# Altium PCB Vesa-Esp.PcbDoc (continued)
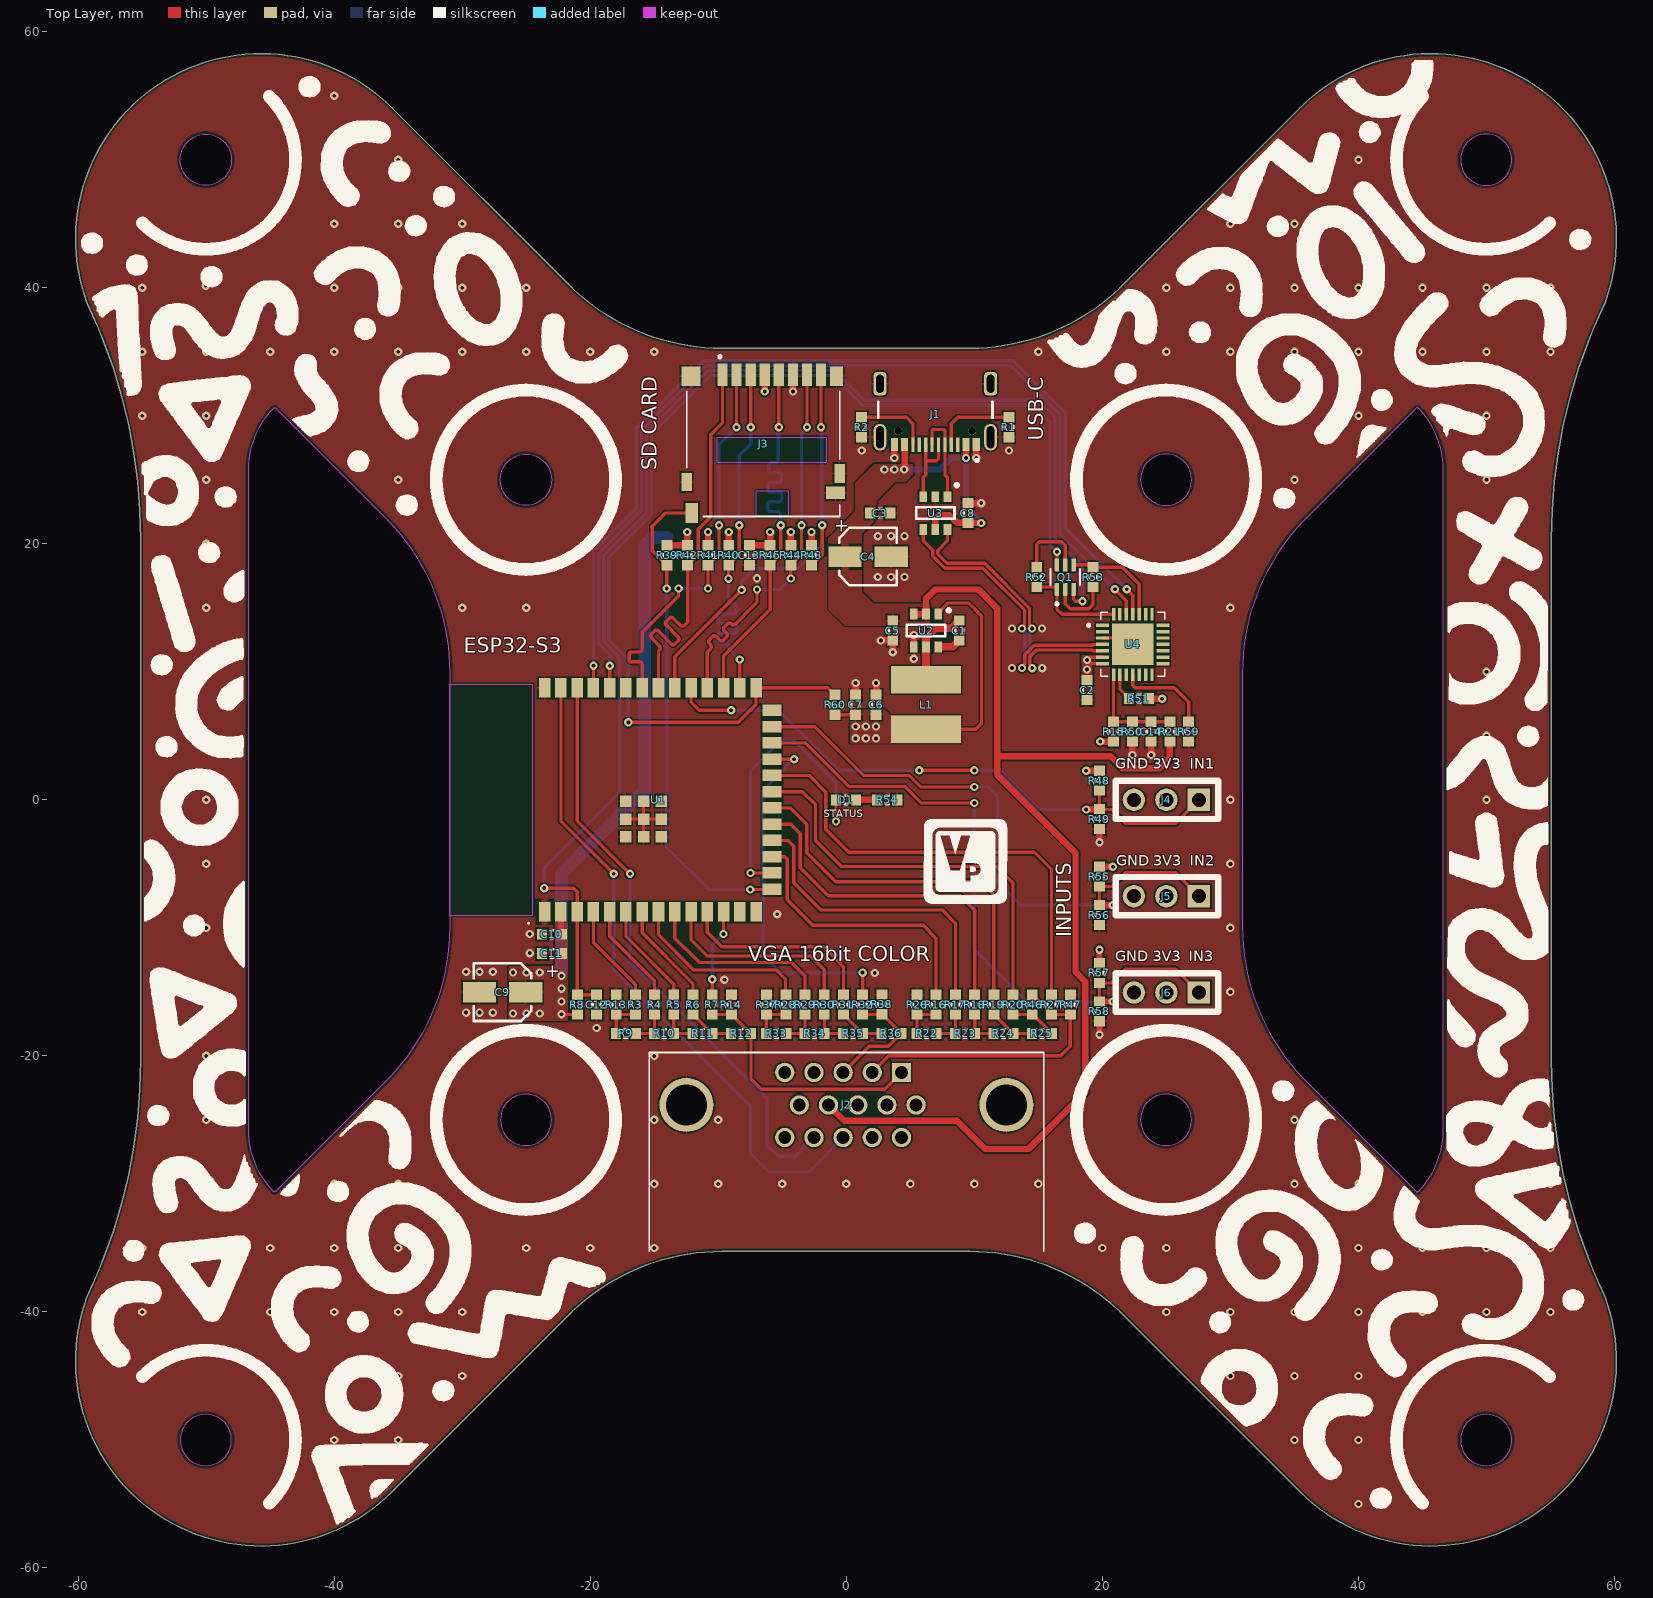
[diagram p0: Top Layer view]
## Footprints (in the part's own frame and the unit in brackets; to place one, negate y for a bottom-side part, rotate by r counter-clockwise, add the part's x,y. Pads: shape width x height; smd on the part's side, far side on the other; paste and mask are expansions set on the pad) (continued)
USB4105-GF-A [mm]
  rect 0.55x1 smd mask+0.03: A1_B12(-3.2,4.755) A4_B9(-2.4,4.755) B1_A12(3.2,4.755) B4_A9(2.4,4.755)
  rect 0.25x1.15 smd mask+0.03: A5(-1.25,4.755) A6(-0.25,4.755) A7(0.25,4.755) A8(1.25,4.755) B5(1.75,4.755) B6(0.75,4.755) B7(-0.75,4.755) B8(-1.75,4.755)
  oval 1x2.1 hole 0.6 slot 1.7 at 90 deg: SH1(-4.32,4.18) SH2(4.32,4.18)
  rrect50% 1x1.8 hole 0.6 slot 1.4 at 90 deg: SH3(-4.32,0) SH4(4.32,0)
  round 0.6 hole 0.6 unplated mask+0.04: ""(-2.89,3.68) ""(2.89,3.68)
  silkscreen extent -4.47,1.4 4.47,6.1, body extent -4.47,-2.6 4.47,5.11, height 3.31

## Part data
C1 C3 C8 C11 C12 C13 C14: "0.1 µF ±10% 50V Ceramic Capacitor X7R 0603 (1608 Metric)", MPN=GCM188R71H104KA57D
C2 C5 C6 C7 C10: "22 µF ±20% 6.3V Ceramic Capacitor X5R 0603 (1608 Metric)", MPN=GRM188R60J226MEA0D
C4: "47 µF 16 V Aluminum Electrolytic Capacitors Radial, Can - SMD 2000 Hrs @ 105°C", Manufacturer Part Number 1=865080342006
C9: "47 µF 16 V Aluminum Electrolytic Capacitors Radial, Can - SMD 2000 Hrs @ 105°C", MPN=865080342006
D1: library part "LED WHITE", "White LED Indication - Discrete 3.2V 0603 (1608 Metric)", MPN=QBLP601-IW
J1: "USB-C (USB TYPE-C) USB 2.0 Receptacle Connector 24 (16+8 Dummy) Position Surface Mount, Right Angle; Through Hole", MPN=USB4105-GF-A
J2: "15 Position D-Sub, High Density Receptacle, Female Sockets Connector", MPN=ICD15S13E4GX00LF
J3: "10 (8 + 2) Position Card Connector Secure Digital - microSD™ Surface Mount, Right Angle Gold", MPN=DM3D-SF
L1: "FIXED IND 3.9UH 3.6A 65 MOHM SMD", MPN=SDE0604A-3R9M
Q1: "Bipolar (BJT) Transistor Array 2 NPN (Dual) 45V 100mA 100MHz 200mW Surface Mount SOT-363", MPN=BC847BS-7-F
R1 R2: "5.1 kOhms ±1% 0.1W, 1/10W Chip Resistor 0603 (1608 Metric) Automotive AEC-Q200 Thick Film", MPN=ERJ-3EKF5101V
R3 R4 R5 R6 R7 R13 R16 R17 R18 R19 R20 R26 R27 R28 R29 R30 R31 R32 R37 R47 R54: "300 Ohms ±1% 0.1W, 1/10W Chip Resistor 0603 (1608 Metric) Automotive AEC-Q200 Thick Film", MPN=ERJ-3EKF3000V
R8 R39 R40 R41 R42 R43 R44 R45 R48 R49 R51 R52 R53 R55 R56 R57 R58 R59 R60: "10 kOhms ±1% 0.1W, 1/10W Chip Resistor 0603 (1608 Metric) Automotive AEC-Q200 Thick Film", MPN=ERJ-3EKF1002V
R9 R10 R11 R12 R14 R22 R23 R24 R25 R33 R34 R35 R36 R38 R46: "150 Ohms ±1% 0.1W, 1/10W Chip Resistor 0603 (1608 Metric) Automotive AEC-Q200 Thick Film", MPN=ERJ-3EKF1500V
R15: "0 Ohms Jumper Chip Resistor 0603 (1608 Metric) Anti-Sulfur, Automotive AEC-Q200 Thick Film", MPN="RES 0 OHM JUMPER - 0603"
R21: "22.1 kOhms ±1% 0.1W, 1/10W Chip Resistor 0603 (1608 Metric) Automotive AEC-Q200 Thick Film", MPN=ERJ-3EKF2212V
R50: "47.5 kOhms ±1% 0.1W, 1/10W Chip Resistor 0603 (1608 Metric) Automotive AEC-Q200 Thick Film", MPN=ERJ-3EKF4752V
U1: "Bluetooth, WiFi 802.11b/g/n, Bluetooth v5.0 Transceiver Module 2.4GHz PCB Trace Surface Mount", MPN=ESP32-S3-WROOM-1-N16R8
U2: "Buck Switching Regulator IC Positive Fixed 3.3V 1 Output 2A SOT-23-6 Thin, TSOT-23-6", MPN=AP63203WU-7
U3: "17V Clamp 5A (8/20µs) Ipp Tvs Diode Surface Mount SOT-23-6", MPN=USBLC6-2SC6
U4: "USB Bridge, USB to UART USB 2.0 UART Interface 28-QFN (5x5)", MPN=CP2102N-A02-GQFN28

## Via types
v1: diameter 0.65, hole 0.3, Top Layer to Bottom Layer, tented both sides, 289 vias

## Nets (pads, with @x,y where several pads share a name; then routed paths per layer and width w, separated by ;. In a path a pad name is that pad's centre, name@x,y a point inside that pad or via, vN(x,y) a via of type N, cw(c..) or ccw(c..) an arc to the next point about the centre after c; other vN are vias at no path point)
+3V3: C2.2 C6.2 C7.2 C9.1 C10.2 C11.2 C13.2 J3.4 J4.2 J5.2 J6.2 L1.2 R8.1 R15.2 R39.1 R40.1 R41.1 R42.1 R43.1 R44.1 R45.1 R48.1 R51.1 R55.1 R57.1 R60.1 U1.2 U2.1 U4.6 U4.7 | length 77.6
  Top Layer w0.254: v1@-22.25,-16.775 R8.1 ; R60.1 C7.2 ; L1.2 10.12,5.52 10.55,5.95 10.55,14.375 9.55,15.375 7.925,15.375 7.175,14.625 U2.1 ; 19.04,10.64 U4.7 ; v1@19.04,11.14 U4.6
  Top Layer w0.5: R39.1 R42.1 v1(-12.419,20.92) ; R41.1 v1(-10.802,20.92) ; R40.1 v1(-9.184,20.92) ; C13.2 R45.1 v1(-5.949,20.92) ; J3.4 J3.4 v1@-6.371,31.891 ; R44.1 v1(-4.331,20.92) ; R43.1 v1(-2.713,20.92) ; v1(18.73,2.275) R48.1 ; R57.1 v1(19.775,-11.705) ; R55.1 v1(20.82,-5.225) ; v1(19.83,4.55) R15.2 ; R51.1 v1(24.67,7.9)
  Top Layer w0.508: U1.2 -22.29,-10.435 C10.2
  Bottom Layer w1: -22.25,-13.25 -22.25,-5.75 -15.75,0.75 -15.75,19.85 -15.1,20.5 -14,20.5
  other v1: -22.25,-16.75 -26.031,-16.684 -24.986,-16.683 -23.941,-16.683 -22.25,-15.75 -22.25,-14.75 -22.25,-13.75 -26.032,-13.494 -24.987,-13.493 -23.942,-13.493 0.725,4.8 1.525,4.8 2.325,4.8 0.725,5.725 1.525,5.725 2.325,5.725 18.8,10.175 18.8,10.925 -6.369,31.889
+5V: C3.2 C4.1 C5.2 C8.2 J1.A4_B9 J1.B4_A9 J2.9 R21.2 U2.2 U2.3 U3.5 | length 108.2
  Top Layer w0.5: J2.9 -0.15,-25.075 8.65,-25.075 10.85,-27.275 14.225,-27.275 18.675,-22.825 18.675,-14.2 17.9,-13.425 17.9,-4.15 11.775,1.975 11.775,3.4 ; v1(4.525,25.8) 4.55,25.825 4.55,26.7 J1.B4_A9 ; U2.3 U2.2 6.225,15.7 6.95,16.425 10.325,16.425 11.775,14.975 11.775,3.4 ; U3.5 6.95,21.932 7.243,22.225 8.075,22.225 8.645,21.655 9.47,21.655 C8.2 ; v1(9.35,26.7) J1.A4_B9 ; C8.2@9.475,21.625 C8.2 ; v1(10.545,21.625) C8.2 ; R21.2 25.275,3.275 24.475,2.475 21.575,2.475 20.65,3.4 11.775,3.4
  Bottom Layer w0.5: v1(2.975,25.8) v1(4.525,25.8) 7.3,25.8 8.2,26.7 v1(9.35,26.7) 9.35,22.82 v1(10.545,21.625)
  other v1: 3.75,25.8
DTR: Q1.1 R52.2 U4.28 | length 7.9
  Top Layer w0.254: R52.2 16.397,16.625 16.45,16.572 Q1.1 16.45,14.9 16.85,14.5 U4.28
ESP_EN: C12.2 Q1.3 R8.2 U1.3 | length 104.5
  Top Layer w0.254: v1(-23.6,-6.9) -21.3,-6.9 -21.02,-7.18 U1.3 -21.02,-15.205 R8.2 C12.2 ; Q1.3 17.75,15.653 17.899,15.504 v1(18.45,15.504)
  Bottom Layer w0.254: v1(-23.6,-6.9) -23.6,-5.3 -17.7,0.6 -17.7,11.114 -18.942,12.356 -18.942,19.097 -15.6,22.439 -15.6,28.7 -13.35,30.95 -13.35,30.983 -10.801,33.532 -0.932,33.532 1.394,31.206 14.994,31.206 16.292,29.908 16.292,20.352 18.45,18.194 v1(18.45,15.504)
ESP_RXD0: U1.36 U4.26 | length 76
  Top Layer w0.254: U1.36 v1(-18.48,10.475) ; v1(20.975,16.45) 21.867,15.558 21.867,14.508 U4.26
  Bottom Layer w0.254: v1(-18.48,10.475) -18.48,11.322 -19.346,12.188 -19.346,19.264 -16.004,22.606 -16.004,28.867 -10.958,33.913 12.858,33.913 16.696,30.075 16.696,20.729 v1(20.975,16.45)
ESP_TXD0: U1.37 U4.25 | length 77
  Top Layer w0.254: U1.37 v1(-19.75,10.475) ; v1(21.9,16.45) 22.375,15.975 U4.25
  Bottom Layer w0.254: v1(-19.75,10.475) -19.75,19.432 -16.408,22.774 -16.408,29.035 -11.149,34.294 13.049,34.294 17.1,30.243 17.1,21.25 v1(21.9,16.45)
ESP_USB_D_N: U3.6 U4.5 | length 23
  Top Layer w0.254: U3.6 7.9,20.225 7.141,19.466 7.141,19.2 7.866,18.475 10.814,18.475 14.304,14.985 14.304,13.68 14.502,13.482 v1(14.502,13.375) ; v1(14.524,10.284) 14.524,10.391 14.327,10.588 14.327,11.177 14.849,11.699 19.206,11.699 19.265,11.64 U4.5
  Bottom Layer w0.254: v1(14.502,13.375) 14.502,13.268 14.327,13.093 14.327,10.588 14.524,10.391 v1(14.524,10.284)
ESP_USB_D_P: U3.4 U4.4 | length 23.6
  Top Layer w0.254: U3.4 6,20.25 6.76,19.491 6.76,19.042 7.708,18.094 10.656,18.094 13.923,14.827 13.923,13.68 13.725,13.482 v1(13.725,13.375) ; v1(13.725,10.3) 13.725,10.407 13.946,10.628 13.946,11.335 14.692,12.08 19.22,12.08 19.279,12.14 U4.4
  Bottom Layer w0.254: v1(13.725,10.3) 13.725,10.407 13.946,10.628 13.946,13.047 13.725,13.268 v1(13.725,13.375)
GND: C2.1 C3.1 C4.2 C5.1 C6.1 C7.1 C8.1 C9.2 C10.1 C11.1 C12.1 C13.1 C14.1 J1.A1_B12 J1.B1_A12 J1.SH1 J1.SH2 J1.SH3 J1.SH4 J2.5 J2.6 J2.7 J2.8 J2.10 J2.S1 J2.S2 J3.6 J3.S1 J3.S2 J3.S3 J3.S4 J3.SW-B J4.3 J5.3 J6.3 R1.1 R2.1 R13.1 R14.2 R26.1 R37.1 R38.2 R47.1 R49.2 R50.1 R54.1 R56.2 R58.2 R59.1 U1.1 U1.40 U1.41 U2.4 U3.2 U4.3 U4.29 | length 21.7
  Top Layer w0.254: U1.41@-17.24,-1.5 U1.41@-15.84,-1.5 ; U1.41@-15.84,-2.9 U1.41@-15.84,-1.5 ; U1.41@-15.84,-0.1 U1.41@-15.84,-1.5 ; U1.41@-14.44,-1.5 U1.41@-15.84,-1.5 ; U4.3 21.875,12.64 U4.29
  Top Layer w0.5: C10.1 C10.1@-23.625,-10.35 ; U1.1@-23.625,-8.815 U1.1 ; v1@-4.171,31.891 J3.6 ; C7.1 v1(0.725,9.125) ; C6.1 v1(2.325,9.125) ; v1(2.7,12.45) C5.1 v1(3.625,11.525) ; v1(3.75,26.7) J1.B1_A12 ; U2.4 v1(5.275,12.875) ; C8.1 v1(10.545,23.175) ; v1(10.15,26.7) J1.A1_B12 ; v1(19.775,-18.345) R58.2 ; v1(19.775,-3.32) R49.2 ; v1(22.342,3.505) R50.1 ; v1(23.808,3.505) C14.1
  other v1: -45,-55 -40,-55 40,-55 45,-55 -40,-50 -35,-50 35,-50 40,-50 -55,-45 -45,-45 -40,-45 -35,-45 -30,-45 30,-45 35,-45 40,-45 45,-45 55,-45 -55,-40 -50,-40 -45,-40 -40,-40 -35,-40 -30,-40 -25,-40 25,-40 30,-40 35,-40 40,-40 45,-40 50,-40 55,-40 -55,-35 -50,-35 -45,-35 -40,-35 -35,-35 -30,-35 -25,-35 -20,-35 -15,-35 20,-35 25,-35 30,-35 35,-35 40,-35 45,-35 50,-35 55,-35 50.166,-30.714 -50,-30 -40,-30 -35,-30 -30,-30 -20,-30 -15,-30 -10,-30 -5,-30 0,-30 5,-30 10,-30 15,-30 20,-30 30,-30 35,-30 40,-30 55,-30 -50,-25 -35,-25 -15,-25 -10,-25 35,-25 50,-25 -50,-20 -30,-20 -20,-20 -15,-20 30,-20 50,-20 -19.5,-17.82 -29.695,-16.62 -28.65,-16.62 -27.605,-16.62 -50,-15 30,-15 50,-15 -9.525,-14.05 2.225,-13.525 -29.695,-13.43 -28.65,-13.43 -27.605,-13.43 -24.725,-11.975 -24.725,-10.475 -50,-10 30,-10 50,-10 -5.394,-8.932 -50,-5 30,-5 50,-5 -50,0 30,0 50,0 -50,5 50,5 -50,10 50,10 15.301,10.284 12.948,10.3 5.275,11.025 12.948,13.375 15.279,13.375 -50,15 -30,15 -25,15 30,15 50,15 -6.975,17.3 2.455,17.405 3.5,17.405 4.545,17.405 -50,20 -30,20 30,20 50,20 2.455,20.595 3.5,20.595 4.545,20.595 -50,25 -35,25 35,25 50,25 1.2,27.28 12.7,27.28 -55,30 -50,30 -35,30 -30,30 -20,30 20,30 30,30 35,30 40,30 50,30 -4.169,31.889 -55,35 -50,35 -45,35 -40,35 -35,35 -30,35 -25,35 -20,35 -15,35 15,35 20,35 25,35 30,35 35,35 40,35 45,35 50,35 55,35 -55,40 -45,40 -40,40 -35,40 -30,40 -25,40 25,40 30,40 35,40 40,40 45,40 50,40 55,40 -50.032,40.159 -55,45 -45,45 -40,45 -35,45 -30,45 30,45 35,45 40,45 45,45 55,45 -40,50 -35,50 35,50 40,50 -45,55 -40,55 40,55 45,55
INDICATION: D1.1 U1.16 | length 23.4
  Top Layer w0.254: v1(-7.485,-5.715) U1.16 ; v1(-0.8,-1.685) D1.1
  Bottom Layer w0.254: v1(-7.485,-5.715) -7.485,2.29 -5.2,4.575 -4.025,4.575 -0.8,1.35 v1(-0.8,-1.685)
INPUT_1: J4.1 R48.2 R49.1 U1.31 | length 46.9
  Top Layer w0.254: U1.31 -12.13,7.63 -11.5,7 v1(-9,7) ; v1(5.7,2.3) v1(10,2.3) ; R48.2@19.775,0.7 19.775,-0.75 20.725,-0.75 21.8,-1.825 25.715,-1.825 J4.1
  Top Layer w0.5: v1(18.73,-0.75) R49.1@19.775,-0.75
  Bottom Layer w0.254: v1(-9,7) -5.3,7 -0.6,2.3 v1(5.7,2.3) ; v1(10,2.3) 12,2.3 15.05,-0.75 v1(18.73,-0.75)
INPUT_2: J5.1 R55.2 R56.1 U1.25 | length 47.8
  Top Layer w0.254: U1.25 -2.465,5.715 1.35,1.9 4.9,1.9 5.8,1 v1(10,1) ; R56.1 R55.2 20.725,-6.775 21.8,-5.7 25.715,-5.7 J5.1
  Top Layer w0.5: R56.1 v1(20.82,-8.225)
  Bottom Layer w0.254: v1(10,1) 11.075,1 11.8,0.275 11.8,-6.4 13.625,-8.225 v1(20.82,-8.225)
INPUT_3: J6.1 R57.2 R58.1 U1.24 | length 53.2
  Top Layer w0.254: U1.24 -3.195,4.445 0.2,1.05 4.55,1.05 5.85,-0.25 v1(10,-0.25) ; R58.1 R57.2 20.725,-14.3 21.8,-13.225 25.715,-13.225 J6.1
  Top Layer w0.5: R58.1 v1(20.82,-15.75)
  Bottom Layer w0.254: v1(10,-0.25) 10,-11.7 14.05,-15.75 v1(20.82,-15.75)
IO0_BOOT: Q1.6 R60.2 U1.27 | length 88.7
  Top Layer w0.254: v1(-17.025,6.05) -8.45,6.05 -7.05,7.45 U1.27 -1.45,8.75 -0.9,8.2 R60.2 ; Q1.6 v1(16.45,19.375)
  Bottom Layer w0.254: v1(-17.025,6.05) -17.025,10.977 -18.561,12.513 -18.561,18.939 -15.219,22.281 -15.219,28.542 -10.61,33.151 -1.09,33.151 0.277,31.784 1.236,30.825 14.569,30.825 15.911,29.483 15.911,19.914 v1(16.45,19.375)
NetC1_1: C1.1 L1.1 U2.5 | length 6.5
  Top Layer w0.6: L1.1 6.225,12.7 6.929,13.404 8.204,13.404 8.7,13.9 8.725,13.9 C1.1
NetC1_2: C1.2 U2.6 | length 1.9
  Top Layer w0.6: U2.6 8.325,11.95 8.7,12.325 8.7,12.35 8.8,12.45 C1.2
NetC14_2: C14.2 R15.1 R21.1 R50.2 U4.8 | length 8.1
  Top Layer w0.254: U4.8 R15.1 R50.2 C14.2 R21.1
NetD1_2: D1.2 R54.2 | length 1.7
  Top Layer w0.5: D1.2 R54.2
NetJ1_A5: J1.A5 R1.2 | length 6.3
  Top Layer w0.254: J1.A5 8.2,29.375 8.7,29.875 R1.2
NetJ1_B5: J1.B5 R2.2 | length 5.8
  Top Layer w0.254: R2.2 4.7,29.875 5.2,29.375 J1.B5
NetQ1_2: Q1.2 R53.1 | length 5
  Top Layer w0.254: Q1.2 17.1,15.325 17.5,14.925 18.925,14.925 19.275,15.275 R53.1
NetQ1_5: Q1.5 R52.1 | length 5.7
  Top Layer w0.254: R52.1 14.875,19.95 15.075,20.15 16.825,20.15 17.1,19.875 Q1.5
NetR3_2: R3.2 R9.1 R13.2 | length 3
  Top Layer w0.254: R9.1 -17.975,-18.225 R13.2 R3.2
NetR4_2: R4.2 R9.2 R10.1 | length 2.9
  Top Layer w0.254: R9.2 R10.1 -14.975,-18.225 R4.2
NetR5_2: R5.2 R10.2 R11.1 | length 2.9
  Top Layer w0.254: R5.2 -13.475,-18.225 R10.2 R11.1
NetR6_2: R6.2 R11.2 R12.1 | length 3.6
  Top Layer w0.254: R6.2 -11.95,-16.775 -10.773,-17.952 -10.723,-17.952 -10.45,-18.225 R11.2 R12.1
NetR16_2: R16.2 R22.1 R26.2 | length 3
  Top Layer w0.254: R22.1 5.525,-18.225 R26.2 R16.2
NetR17_2: R17.2 R22.2 R23.1 | length 2.9
  Top Layer w0.254: R22.2 R23.1 8.525,-18.225 R17.2
NetR18_2: R18.2 R23.2 R24.1 | length 2.9
  Top Layer w0.254: R18.2 10.025,-18.225 R23.2 R24.1
NetR19_2: R19.2 R24.2 R25.1 | length 3.6
  Top Layer w0.254: R19.2 11.55,-16.775 12.727,-17.952 12.777,-17.952 13.05,-18.225 R24.2 R25.1
NetR20_2: R20.2 R25.2 R46.1 | length 3.7
  Top Layer w0.254: R20.2 R46.1 14.798,-17.048 14.873,-17.048 16.05,-18.225 R25.2
NetR28_2: R28.2 R33.1 R37.2 | length 3
  Top Layer w0.254: R33.1 -6.25,-16.8 R37.2 R28.2
NetR29_2: R29.2 R33.2 R34.1 | length 2.9
  Top Layer w0.254: R33.2 R34.1 -3.225,-18.225 R29.2
NetR30_2: R30.2 R34.2 R35.1 | length 2.9
  Top Layer w0.254: R30.2 -1.7,-16.8 R34.2 R35.1
NetR31_2: R31.2 R35.2 R36.1 | length 3.6
  Top Layer w0.254: R31.2 -0.2,-16.775 0.977,-17.952 1.027,-17.952 1.3,-18.225 R35.2 R36.1
NetR51_2: R51.2 U4.9 | length 2.2
  Top Layer w0.254: U4.9 21.375,8.625 22.075,7.925 R51.2
NetR59_2: R59.2 U4.11 | length 7.3
  Top Layer w0.254: U4.11 22.375,8.95 22.575,8.75 25.625,8.75 26.742,7.633 R59.2
RTS: Q1.4 R53.2 U4.24 | length 8.1
  Top Layer w0.254: Q1.4 19.095,18.355 R53.2 21.55,18.175 22.875,16.85 U4.24
SD_CLK: J3.5 R45.2 U1.29 | length 31.2
  Top Layer w0.254: U1.29 -9.59,11.26 -5.949,14.901 R45.2 -5.122,19.152 v1(-5.122,21.45) ; v1(-5.271,29.104) J3.5
  Bottom Layer w0.254: v1(-5.271,29.104) -5.325,29.05 -5.325,27.08 -5.325,26.576 cw(c-5.579,26.576) -5.579,26.322 -5.874,26.322 ccw(c-5.874,26.132) -6.064,26.132 -6.064,25.751 ccw(c-5.874,25.751) -5.874,25.56 -5.255,25.56 cw(c-5.255,25.37) -5.065,25.37 -5.065,24.989 cw(c-5.255,24.989) -5.255,24.798 -5.94,24.798 ccw(c-5.94,24.608) -6.13,24.608 -6.13,24.227 ccw(c-5.94,24.227) -5.94,24.036 -5.255,24.036 cw(c-5.255,23.846) -5.065,23.846 -5.065,23.465 cw(c-5.255,23.465) -5.255,23.274 -5.94,23.274 ccw(c-5.94,23.084) -6.13,23.084 -6.13,22.703 ccw(c-5.94,22.703) -5.94,22.512 -5.376,22.512 cw(c-5.376,22.258) -5.122,22.258 -5.122,22.131 v1(-5.122,21.45)
SD_CMD: J3.3 R40.2 U1.28 | length 30.5
  Top Layer w0.254: v1(-9.2,17.275) -9.2,18.309 -8.357,19.152 v1(-8.357,21.45) ; U1.28 v1(-8.32,10.955) ; v1(-7.471,29.104) J3.3
  Bottom Layer w0.254: v1(-9.2,17.275) -9.2,16.275 -9.2,15.553 ccw(c-8.946,15.553) -8.946,15.299 -8.781,15.299 cw(c-8.781,15.108) -8.591,15.108 -8.591,14.727 cw(c-8.781,14.727) -8.781,14.537 -9.859,14.537 ccw(c-9.859,14.346) -10.05,14.346 -10.05,13.965 ccw(c-9.859,13.965) -9.859,13.775 -8.781,13.775 cw(c-8.781,13.584) -8.591,13.584 -8.591,13.203 cw(c-8.781,13.203) -8.781,13.013 -9.859,13.013 ccw(c-9.859,12.822) -10.05,12.822 -10.05,12.441 ccw(c-9.859,12.441) -9.859,12.251 -9.454,12.251 cw(c-9.454,11.997) -9.2,11.997 -9.2,11.87 -9.2,11.835 v1(-8.32,10.955) ; v1(-8.357,21.45) -8.357,26.893 -7.471,27.779 v1(-7.471,29.104)
SD_DAT0: J3.7 R44.2 U1.30 | length 30.5
  Top Layer w0.254: U1.30 -10.86,11.54 -10.713,11.687 -10.623,11.777 ccw(c-10.802,11.957) -10.623,12.137 -10.71,12.224 cw(c-10.576,12.359) -10.71,12.494 -10.441,12.763 cw(c-10.306,12.628) -10.172,12.763 -9.868,12.459 ccw(c-9.733,12.594) -9.598,12.459 -9.329,12.729 ccw(c-9.464,12.863) -9.329,12.998 -9.545,13.214 cw(c-9.41,13.349) -9.545,13.484 -9.276,13.753 cw(c-9.141,13.618) -9.006,13.753 ccw(c-8.827,13.933) -8.647,13.753 -7.375,15.025 -6.975,15.425 v1(-6.975,16.425) ; v1(-4.331,17.291) R44.2 -3.504,19.152 v1(-3.504,21.45) ; v1(-3.071,29.104) J3.7
  Bottom Layer w0.254: v1(-6.975,16.425) -5.197,16.425 v1(-4.331,17.291) ; v1(-3.504,21.45) -3.504,28.564 -3.071,28.997 v1(-3.071,29.104)
SD_DAT1: J3.8 R43.2 U1.32 | length 34.7
  Top Layer w0.254: U1.32 -13.4,11.175 v1(-8.175,16.4) ; R43.2 -1.887,19.152 v1(-1.887,21.45) ; v1(-1.971,29.104) J3.8
  Bottom Layer w0.254: v1(-8.175,16.4) -8.175,17.05 -7.15,18.075 -3.775,18.075 -1.887,19.963 v1(-1.887,21.45) -1.929,21.492 -1.929,29.062 v1(-1.971,29.104)
SD_DAT2: J3.1 R42.2 U1.33 | length 31.9
  Top Layer w0.254: U1.33 -14.67,11.558 -14.67,11.605 -14.604,11.671 ccw(c-14.783,11.851) -14.604,12.03 -15.23,12.657 cw(c-15.095,12.791) -15.23,12.926 -14.961,13.195 cw(c-14.826,13.061) -14.691,13.195 -13.666,12.17 ccw(c-13.531,12.305) -13.397,12.17 -13.127,12.44 ccw(c-13.262,12.575) -13.127,12.709 -14.078,13.66 cw(c-13.943,13.795) -14.078,13.929 -13.809,14.199 cw(c-13.674,14.064) -13.539,14.199 -12.987,13.647 ccw(c-12.808,13.826) -12.628,13.647 -12.394,13.881 -12.394,15.163 -12.394,18.325 -11.575,19.144 -11.575,21.15 -10.598,22.127 -10.598,28.529 -9.671,29.456 J3.1
SD_DAT3: J3.2 R41.2 U1.34 | length 30.5
  Top Layer w0.254: U1.34 -15.94,10.4 -15.94,10.527 ccw(c-16.194,10.527) -16.194,10.781 -16.772,10.781 cw(c-16.772,10.972) -16.963,10.972 -16.963,11.353 cw(c-16.772,11.353) -16.772,11.543 -16.194,11.543 ccw(c-16.194,11.797) -15.94,11.797 -15.94,12.273 -15.94,13.085 -13.1,15.925 v1(-13.1,16.5) ; v1(-10.802,16.5) R41.2@-10.802,18.3 ; R41.2 -10.777,18.325 -9.95,19.152 v1(-9.95,21.45) ; v1(-8.571,29.104) J3.2
  Bottom Layer w0.254: v1(-13.1,16.5) v1(-10.802,16.5) ; v1(-9.95,21.45) -9.95,27.725 v1(-8.571,29.104)
SD_SW: J3.SW-A R39.2 U1.15 | length 38.7
  Top Layer w0.254: -15.001,21.525 -15.15,21.376 -15.15,19.45 -14.025,18.325 R39.2 -14.025,18.3 v1(-14.025,16.5) ; -15,21.525 -14.119,22.406 J3.SW-A ; v1(-7.5,-7) -5.815,-7 U1.15
  Bottom Layer w0.254: v1(-14.025,16.5) -14.025,-3.725 -10.75,-7 v1(-7.5,-7)
USB_D_N: J1.A7 J1.B7 U3.1 | length 7.5
  Top Layer w0.254: J1.A7 6.7,28.875 6.75,28.925 7.65,28.925 7.7,28.875 J1.B7 7.7,25.4 7.9,25.2 U3.1
USB_D_P: J1.A6 J1.B6 U3.3 | length 6.2
  Top Layer w0.254: U3.3 6,25.2 6.2,25.4 J1.B6 ; 6.322,26.475 7.025,26.475 7.2,26.65 J1.A6
VGA_B0: R28.1 U1.8 | length 14.4
  Top Layer w0.254: U1.8 -14.67,-10.53 -11.9,-13.3 -5.45,-13.3 -4.75,-14 -4.75,-15.2 R28.1
VGA_B1: R29.1 U1.9 | length 14.9
  Top Layer w0.254: U1.9 -13.4,-10.8 -11.5,-12.7 -4.3,-12.7 -3.225,-13.775 R29.1
VGA_B2: R30.1 U1.10 | length 15.5
  Top Layer w0.254: U1.10 -12.13,-10.933 -10.863,-12.2 -2.8,-12.2 -1.725,-13.275 R30.1
VGA_B3: R31.1 U1.11 | length 15.5
  Top Layer w0.254: U1.11 -10.86,-10.34 -9.715,-11.485 -1.765,-11.485 -0.225,-13.025 R31.1
VGA_B4: R32.1 U1.23 | length 28.1
  Top Layer w0.254: U1.23 v1(-4.075,3.175) ; R32.1 v1(1.275,-13.5)
  Bottom Layer w0.254: v1(-4.075,3.175) -6.5,0.75 -6.5,-12.1 -5.1,-13.5 v1(1.275,-13.5)
VGA_BLUE: J2.3 R32.2 R36.2 R38.1 | length 9.5
  Top Layer w0.254: J2.3 1.795,-19.25 3.275,-19.25 3.977,-18.548 4.027,-18.548 4.3,-18.275 4.3,-18.225 4.027,-17.952 4.002,-17.952 2.8,-16.75 R38.1 2.75,-16.775 R32.2
VGA_G0: R16.1 U1.17 | length 21.7
  Top Layer w0.254: U1.17 -4.805,-4.445 -4.615,-4.635 -4.615,-7.822 -2.637,-9.8 6,-9.8 7,-10.8 R16.1
VGA_G1: R17.1 U1.18 | length 24.3
  Top Layer w0.254: U1.18 -4.575,-3.175 -4.107,-3.643 -4.107,-6.493 -2,-8.6 7.5,-8.6 8.525,-9.625 R17.1
VGA_G2: R18.1 U1.19 | length 26.8
  Top Layer w0.254: U1.19 -4.345,-1.905 -3.599,-2.651 -3.599,-5.301 -1.4,-7.5 8.9,-7.5 10.025,-8.625 R18.1
VGA_G3: R19.1 U1.20 | length 29.2
  Top Layer w0.254: U1.20 -4.365,-0.635 -3.1,-1.9 -3.1,-4.125 -0.825,-6.4 10.5,-6.4 11.525,-7.425 R19.1
VGA_G4: R20.1 U1.21 | length 32.1
  Top Layer w0.254: U1.21 -3.435,0.635 -2.4,-0.4 -2.4,-3.2 -0.4,-5.2 11.7,-5.2 13.025,-6.525 R20.1
VGA_G5: R27.1 U1.22 | length 36.4
  Top Layer w0.254: U1.22 -2.905,1.905 -1.6,0.6 -1.6,-2.3 0.2,-4.1 14.7,-4.1 16.025,-5.425 R27.1
VGA_GREEN: J2.2 R27.2 R46.2 R47.2 | length 22.5
  Top Layer w0.254: J2.2 3.325,-20 16.75,-20 17.5,-19.25 17.5,-16.8 R47.2 R27.2 16,-16.775 15.727,-16.502 15.727,-16.402 14.55,-15.225 R46.2
VGA_HSYNC: J2.13 U1.39 | length 51.5
  Top Layer w0.254: U1.39 -22.29,-1.655 v1(-18.17,-5.775)
  Bottom Layer w0.254: v1(-18.17,-5.775) -18.17,-13.255 -7.475,-23.95 -7.475,-27.625 -6.025,-29.075 -2.95,-29.075 J2.13
VGA_R0: R3.1 U1.4 | length 7.8
  Top Layer w0.254: U1.4 -19.75,-11.141 -16.475,-14.416 R3.1
VGA_R1: R4.1 U1.5 | length 7.9
  Top Layer w0.254: U1.5 -18.48,-10.67 -14.975,-14.175 R4.1
VGA_R2: R5.1 U1.6 | length 8
  Top Layer w0.254: U1.6 -17.21,-10.665 -13.475,-14.4 R5.1
VGA_R3: R6.1 U1.7 | length 8.1
  Top Layer w0.254: U1.7 -15.94,-10.385 -11.975,-14.35 R6.1
VGA_R4: R7.1 U1.12 | length 6.8
  Top Layer w0.254: R7.1 v1(-10.475,-14.025) ; v1(-9.59,-10.475) U1.12
  Bottom Layer w0.254: v1(-10.475,-14.025) -10.475,-11.36 v1(-9.59,-10.475)
VGA_RED: J2.1 R7.2 R12.2 R14.1 | length 19.8
  Top Layer w0.254: R7.2 R14.1 -8.95,-16.775 -7.773,-17.952 -7.723,-17.952 -7.45,-18.225 R12.2 -7.45,-21.8 -6.65,-22.6 3.005,-22.6 J2.1
VGA_VSYNC: J2.14 U1.38 | length 46.5
  Top Layer w0.254: U1.38 -21.02,-1.655 v1(-16.9,-5.775)
  Bottom Layer w0.254: v1(-16.9,-5.775) -16.9,-12.6 -6.2,-23.3 -6.2,-26.975 -5.325,-27.85 -4.005,-27.85 J2.14
pads on no net: J1. J1.A8 J1.B8 J2.4 J2.11 J2.12 J2.15 U1.13 U1.14 U1.26 U1.35 U4.1 U4.2 U4.10 U4.12 U4.13 U4.14 U4.15 U4.16 U4.17 U4.18 U4.19 U4.20 U4.21 U4.22 U4.23 U4.27

## Polygon pours and split planes (outlines as drawn)
GND on Top Layer "GND_L01_P011" (solid, remove dead copper, pour order 11): -62.771,58.775 60.175,58.775 60.175,-58.425 -60.473,-58.425
+5V on Top Layer "+5V_L01_P004" (solid, remove dead copper, pour order 4): 0.7,24.75 2.175,26.225 2.95,26.225 5.2,26.225 5.2,25.425 4.625,24.85 3.825,24.85 2.325,23.35 2.325,21.9 1.2,20.775 1.2,16.225 2.125,15.3 3.2,15.3 6.525,15.3 6.525,13.6 -0.1,13.6 -1.4,14.9 -1.4,20.425 0.7,22.525
+3V3 on Top Layer "+3V3_L01_P001" (solid, pour order 1): 18.375,8.95 19.225,8.95 19.225,11.275 18.375,11.275
+3V3 on Top Layer "+3V3_L01_P002" (solid, remove dead copper, pour order 2): 0.3,7.05 3.025,7.05 3.475,6.6 8.975,6.6 8.975,4.425 0.3,4.425 0.3,6.225
+3V3 on Top Layer "+3V3_L01_P008" (solid, remove dead copper, pour order 8): -26.35,-13 -22.95,-13 -22.75,-12.8 -22.75,-8 -21.75,-8 -21.75,-17.25 -26.35,-17.25
GND on Bottom Layer "GND_L02_P010" (solid, remove dead copper, pour order 10): -65,65 65,65 65,-62.5 -62.5,-62.5
+3V3 on Bottom Layer "+3V3_L02_P007" (solid, remove dead copper, pour order 7): 13.625,16.425 17.175,12.875 17.175,-16.775 28.75,-16.775 28.75,9.25 17.75,20.25 17.75,30.75 14.5,34 -10.965,34 -14.5,30.465 -14.5,19.5 -6,19.5 -4.875,18.375 -4.875,8.875 0,4 2.9,4 2.9,6.3 1.2,6.3 -1,8.5 -1,28 0.65,29.65 12.85,29.65 13.625,28.875
+3V3 on Bottom Layer "+3V3_L02_P009" (solid, remove dead copper, pour order 9): -26.675,-12.5 -26.675,-17.5 -21.5,-17.5 -21.5,-12.5

## Keep-outs
Keep-Out Layer:
  rectangle: -31,-9 -24.5,9

## Silkscreen, mask and mechanical layers (free items; w line width, h text height)
Top Overlay:
  drawing of 102 lines, arcs and shapes, not listed
  text "USB-C" at 15.766,28.051 h2 r90
  text "SD CARD" at -14.434,25.749 h2 r90
  text "+" at -0.946,20.937 h1
  text "ESP32-S3" at -29.876,11.109 h2
  text "GND" at 21.02,2.152 h1.4
  text "3V3" at 23.921,2.158 h1.4
  text "IN1" at 26.82,2.149 h1.4
  text "STATUS" at -1.775,-1.57 h1
  text "GND" at 21.083,-5.437 h1.4
  text "3V3" at 23.984,-5.431 h1.4
  text "IN2" at 26.813,-5.439 h1.4
  text "INPUTS" at 17.969,-10.727 h2 r90
  text "GND" at 21.02,-12.898 h1.4
  text "3V3" at 23.921,-12.892 h1.4
  text "IN3" at 26.745,-12.892 h1.4
  text "VGA 16bit COLOR" at -7.656,-13.016 h2
Bottom Overlay:
  drawing of 172 lines, arcs and shapes, not listed
  text "WayWayWay" at -38.014,25.42 h1 r315
Top Solder:
  circle w4: c24.975,25 r3.5
  circle w4: c49.975,-50 r3.5
  circle w4: c24.975,-25 r3.5
  circle w4: c49.975,50 r3.5
  circle w4: c-50.025,50 r3.5
  circle w4: c-25.025,25 r3.5
  circle w4: c-25.025,-25 r3.5
  circle w4: c-50.025,-50 r3.5
Bottom Solder:
  circle w4: c49.975,-50 r3.5
  circle w4: c-50.025,-50 r3.5
  circle w4: c-50.025,50 r3.5
  circle w4: c49.975,50 r3.5
  circle w4: c24.975,-25 r3.5
  circle w4: c-25.025,-25 r3.5
  circle w4: c-25.025,25 r3.5
  circle w4: c24.975,25 r3.5
Mechanical 13:
  circle w0.254: c49.975,-50 r2.002
  circle w0.254: c24.975,-25 r2
  circle w0.254: c-25.025,-25 r2
  circle w0.254: c-50.025,-50 r2.01
  circle w0.254: c-50.025,50 r2
  circle w0.254: c49.975,50 r2
  circle w0.254: c-25.025,25 r2
  circle w0.254: c24.975,25 r2.01
  lines w0.2: -46.56,-25.739 -46.56,25.739 cw(c-39.673,25.739) -44.65,30.499 -35.817,21.666 cw(c-48.126,9.923) -31.114,9.923 -31.114,-9.929 ; -46.56,-25.723 ccw(c-39.673,-25.723) -44.65,-30.483 -35.817,-21.65 ccw(c-48.126,-9.907) -31.114,-9.907 ; 31.064,-9.929 31.064,9.923 cw(c48.076,9.923) 35.767,21.666 44.6,30.499 cw(c39.623,25.739) 46.51,25.739 ; 31.064,-9.907 ccw(c48.076,-9.907) 35.767,-21.65 44.6,-30.483 ccw(c39.623,-25.723) 46.51,-25.723 ; 46.51,-25.739 46.51,25.739 ; -59.328,-38.855 ccw(c-97.864,-20.365) -55.122,-20.365 -55.122,20.365 ccw(c-97.864,20.365) -59.328,38.855 cw(c-45.722,43.807) -35.484,54.045 -21.415,39.975 ccw(c-9.694,52.229) -9.694,35.272 9.644,35.272 ccw(c9.644,52.229) 21.365,39.975 35.434,54.045 cw(c45.672,43.807) 59.278,38.855 ccw(c97.814,20.365) 55.072,20.365 55.072,-20.365 ccw(c97.814,-20.365) 59.278,-38.855 cw(c45.672,-43.807) 35.434,-54.045 21.365,-39.975 ccw(c9.644,-52.229) 9.644,-35.272 -9.694,-35.272 ccw(c-9.694,-52.229) -21.415,-39.975 -35.484,-54.045 cw(c-45.722,-43.807) -59.328,-38.855

## Text inside footprints (layer, text, board x,y; h text height)
C9: Top Overlay "+" at -23.525,-13.85 h1